# Altium PCB Steezy60SMK.PcbDoc (part 1 of 2) (continued)
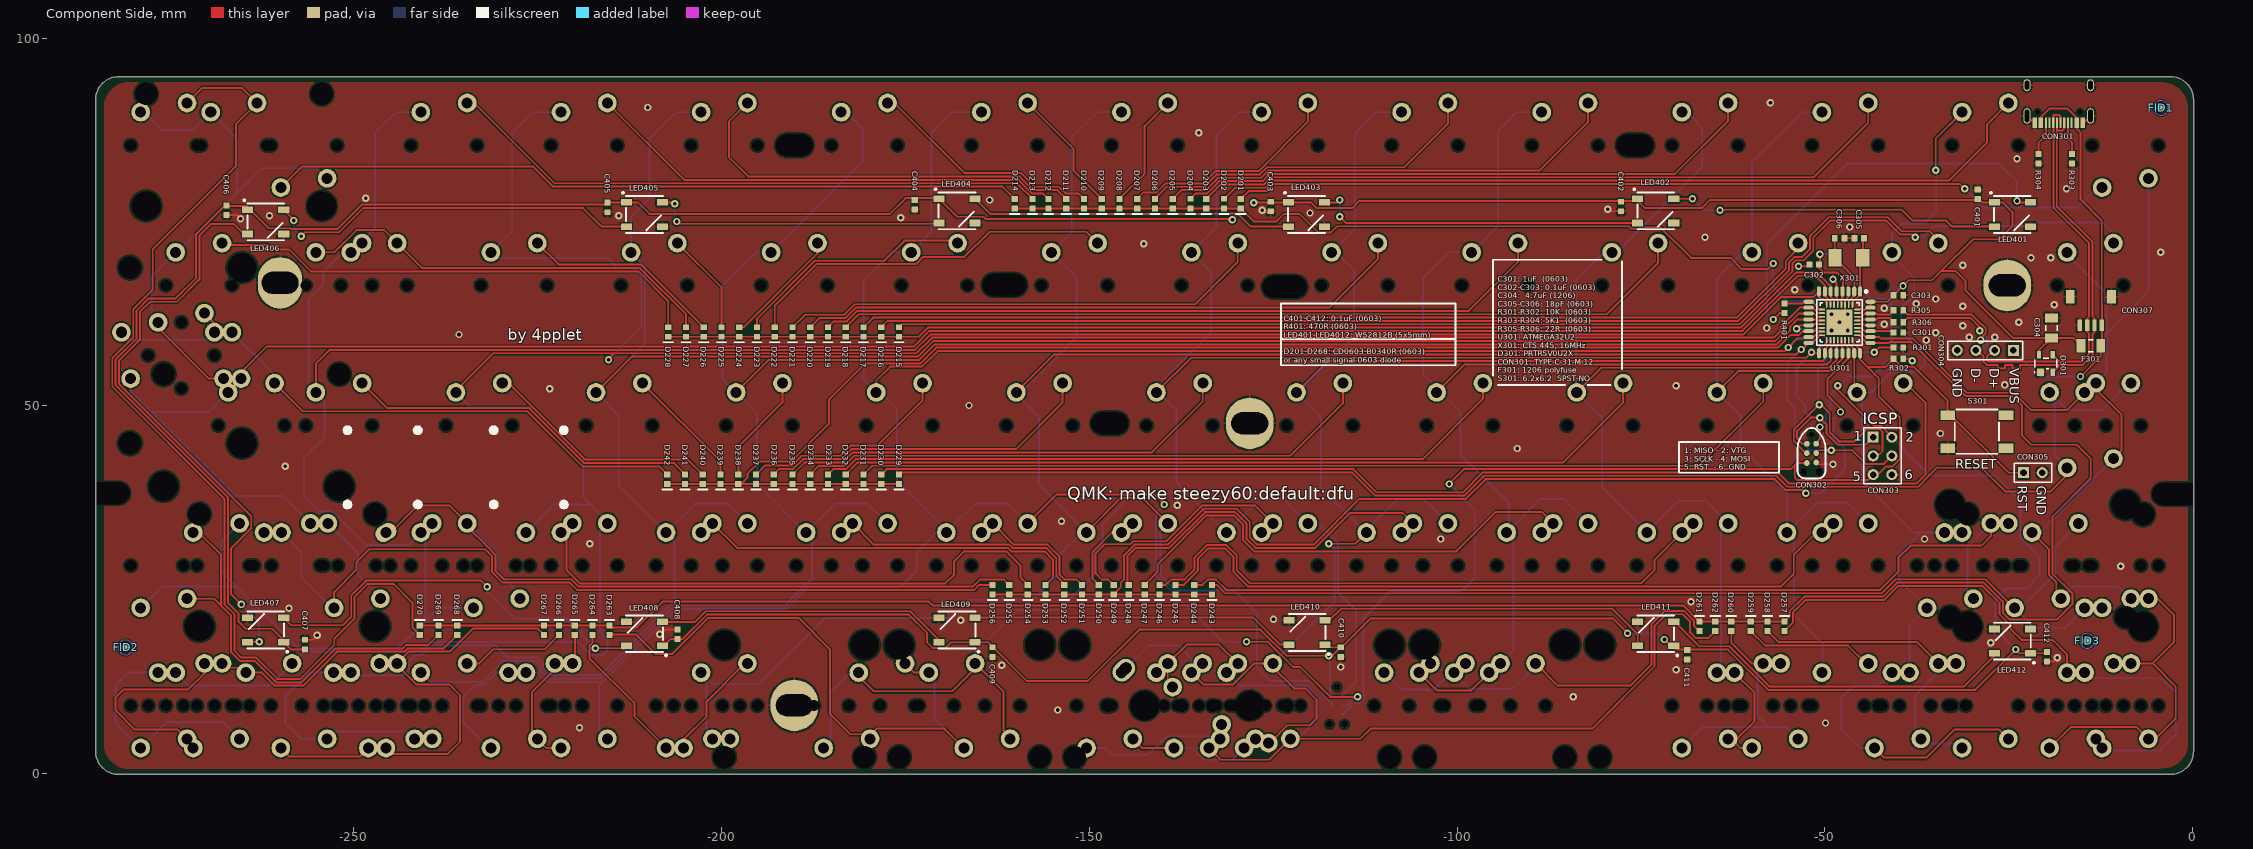
[diagram p0: Component Side view]
## Footprints (in the part's own frame and the unit in brackets; to place one, negate y for a bottom-side part, rotate by r counter-clockwise, add the part's x,y. Pads: shape width x height; smd on the part's side, far side on the other; paste and mask are expansions set on the pad) (continued)
  oval 3x2.2 hole 1.499 rot 150: 1(7.912,4.5)
  round 1 hole 1.5 unplated: ""(-11.644,0) ""(-4.5,0) ""(-2.644,0) ""(0.262,0) ""(4.5,0) ""(9.263,0)
  round 1 on Mech14: ""(-7.144,0) ""(0,0) ""(4.763,0)
"SMK-SWITCH - ENTER" [mm]
  round 2.54 hole 1.499: 1(-3.15,5.75) 1(2.649,12.68) 1(5.03,12.68) 1(6.38,15.28) 1(17.661,12.68) 2(1.399,6.38) 2(3.15,4.5) 2(3.78,6.38) 2(12.68,14.03) 2(16.411,6.38)
  round 1.524 hole 3.988 unplated: ""(-11.938,-8.255) ""(1.275,-2.408) ""(1.275,21.468) ""(11.938,-8.255)
  round 1.524 hole 3.048 unplated: ""(-11.938,6.985) ""(11.938,6.985) ""(16.515,-2.408) ""(16.515,21.468)
  round 1 hole 1.5 unplated: ""(-4.5,0) ""(4.5,0) ""(5.03,9.53) ""(9.53,5.03) ""(9.53,14.03) ""(14.03,9.53)
  round 1 on Mech14: ""(0,0) ""(7.149,9.53) ""(9.53,9.53) ""(11.911,9.53)
"SMK-SWITCH - FN AND SHIFT" [mm]
  round 2.54 hole 1.499: 1(3.15,4.5) 1(3.994,-4.5) 2(-3.15,5.75) 2(10.294,-5.75)
  round 1 hole 1.5 unplated: ""(-4.5,0) ""(2.644,0) ""(4.5,0) ""(11.644,0)
  round 1 on Mech14: ""(0,0) ""(7.144,0)
"SMK-SWITCH - L SPLIT SPACE" [mm]
  round 2.54 hole 1.499: 1(-7.912,-4.5) 1(1.613,-4.5) 1(3.15,-5.75) 1(12.675,-5.75) 2(-3.15,-4.5) 2(-1.613,-5.75) 2(6.375,-4.5) 2(7.912,-5.75)
  round 1 hole 1.5 unplated: ""(-9.263,0) ""(-4.5,0) ""(-0.262,0) ""(0.262,0) ""(4.5,0) ""(5.025,0) ""(9.263,0) ""(14.025,0)
  round 1.524 hole 3.988 unplated: ""(-7.175,-8.255) ""(-2.413,-8.255)
  round 1.524 hole 3.048 unplated: ""(-7.175,6.985) ""(-2.413,6.985)
  round 1 on Mech14: ""(-4.763,0) ""(0,0) ""(4.763,0) ""(9.525,0)
"SMK-SWITCH - L_ALT" [mm]
  round 2.54 hole 1.499: 1(-7.912,-4.5) 1(-5.531,5.75) 1(-3.15,5.75) 1(7.912,-5.75) 2(-1.613,-5.75) 2(0.769,4.5) 2(1.613,-4.5) 2(3.15,4.5)
  round 1 hole 1.5 unplated: ""(-9.263,0) ""(-6.881,0) ""(-4.5,0) ""(-0.262,0) ""(0.262,0) ""(2.119,0) ""(4.5,0) ""(9.263,0)
  round 1 on Mech14: ""(-4.763,0) ""(-2.381,0) ""(0,0) ""(4.763,0)
"SMK-SWITCH - L_CTRL" [mm]
  round 2.54 hole 1.499: 1(-1.613,-5.75) 1(-0.769,-4.5) 1(0.769,4.5) 1(3.15,4.5) 2(-7.912,-4.5) 2(-5.531,5.75) 2(-3.15,5.75) 2(5.531,-5.75)
  round 1 hole 1.5 unplated: ""(-9.263,0) ""(-6.881,0) ""(-4.5,0) ""(-2.119,0) ""(-0.262,0) ""(2.119,0) ""(4.5,0) ""(6.881,0)
  round 1 on Mech14: ""(-4.763,0) ""(-2.381,0) ""(0,0) ""(2.381,0)
"SMK-SWITCH - L_WIN" [mm]
  round 2.54 hole 1.499: 1(-6.375,-5.75) 1(-5.531,5.75) 1(-3.15,5.75) 1(-0.769,-4.5) 2(-12.675,-4.5) 2(0.769,4.5) 2(3.15,4.5) 2(5.531,-5.75)
  round 1 hole 1.5 unplated: ""(-14.025,0) ""(-6.881,0) ""(-5.025,0) ""(-4.5,0) ""(-2.119,0) ""(2.119,0) ""(4.5,0) ""(6.881,0)
  round 1 on Mech14: ""(-9.525,0) ""(-2.381,0) ""(0,0) ""(2.381,0)
"SMK-SWITCH - LEFT SHIFT" [mm]
  round 2.54 hole 1.499: 1(-8.756,-5.75) 1(-6.375,-5.75) 1(-5.531,5.75) 1(3.15,-5.75) 2(-15.056,-4.5) 2(-12.675,-4.5) 2(-3.15,-4.5) 2(0.769,4.5)
  round 1 hole 1.5 unplated: ""(-16.406,0) ""(-14.025,0) ""(-7.406,0) ""(-6.881,0) ""(-5.025,0) ""(-4.5,0) ""(2.119,0) ""(4.5,0)
  round 1.524 hole 3.988 unplated: ""(-14.319,-8.255) ""(-11.938,8.255) ""(9.557,-8.255) ""(11.938,8.255)
  round 1.524 hole 3.048 unplated: ""(-14.319,6.985) ""(-11.938,-6.985) ""(9.557,6.985) ""(11.938,-6.985)
  round 1 on Mech14: ""(-11.906,0) ""(-9.525,0) ""(-2.381,0) ""(0,0)
"SMK-SWITCH - OFFSET" [mm]
  round 2.54 hole 1.499: 1(-3.15,5.75) 1(-1.613,4.5) 2(-7.912,5.75) 2(3.15,4.5)
  round 1 hole 1.5 unplated: ""(-9.263,0) ""(-4.5,0) ""(-0.262,0) ""(4.5,0)
  round 1 on Mech14: ""(-4.763,0) ""(0,0)
"SMK-SWITCH - OFFSET-R" [mm]
  round 2.54 hole 1.499: 1(-3.15,5.75) 1(7.912,4.5) 2(1.613,5.75) 2(3.15,4.5)
  round 1 hole 1.5 unplated: ""(-4.5,0) ""(0.262,0) ""(4.5,0) ""(9.263,0)
  round 1 on Mech14: ""(0,0) ""(4.763,0)
"SMK-SWITCH - R PN" [mm]
  round 2.54 hole 1.499: 1(-5.531,5.75) 1(3.15,-5.75) 1(5.531,-5.75) 2(-3.15,-4.5) 2(-0.769,-4.5) 2(0.769,4.5)
  round 1 hole 1.5 unplated: ""(-6.881,0) ""(-4.5,0) ""(-2.119,0) ""(2.119,0) ""(4.5,0) ""(6.881,0)
  round 1 on Mech14: ""(-2.381,0) ""(0,0) ""(2.381,0)
"SMK-SWITCH - R SPLIT SPACE" [mm]
  round 2.54 hole 1.499: 1(-15.9,4.5) 1(-11.138,-5.75) 1(-7.912,-4.5) 1(-3.15,5.75) 2(-22.2,5.75) 2(-17.437,-4.5) 2(-1.613,-5.75) 2(3.15,4.5)
  round 1 hole 1.5 unplated: ""(-23.55,0) ""(-18.788,0) ""(-14.55,0) ""(-9.787,0) ""(-9.263,0) ""(-4.5,0) ""(-0.262,0) ""(4.5,0)
  round 1 on Mech14: ""(-19.05,0) ""(-14.287,0) ""(-9.525,0) ""(-4.763,0) ""(0,0) ""(0,0)
  round 1.524 hole 3.988 unplated: ""(-11.938,-8.255) ""(7.175,-8.255) ""(11.938,-8.255)
  round 1.524 hole 3.048 unplated: ""(-11.938,6.985) ""(7.175,6.985) ""(11.938,6.985)
"SMK-SWITCH - R_ALT" [mm]
  round 2.54 hole 1.499: 1(-3.15,5.75) 1(-1.613,-5.75) 1(-0.769,5.75) 1(1.613,-4.5) 2(-7.912,-4.5) 2(3.15,4.5) 2(5.531,4.5) 2(7.912,-5.75)
  round 1 hole 1.5 unplated: ""(-9.263,0) ""(-4.5,0) ""(-2.119,0) ""(-0.262,0) ""(0.262,0) ""(4.5,0) ""(6.881,0) ""(9.263,0)
  round 1 on Mech14: ""(-4.763,0) ""(0,0) ""(2.381,0) ""(4.763,0)
"SMK-SWITCH - R_CTRL" [mm]
  round 2.54 hole 1.499: 1(-6.375,4.5) 1(-3.15,5.75) 1(-0.769,5.75) 1(0.769,-5.75) 1(1.613,-4.5) 2(-12.675,5.75) 2(-5.531,-4.5) 2(3.15,4.5) 2(5.531,4.5) 2(7.912,-5.75)
  round 1 hole 1.5 unplated: ""(-14.025,0) ""(-6.881,0) ""(-5.025,0) ""(-4.5,0) ""(-2.119,0) ""(0.262,0) ""(2.119,0) ""(4.5,0) ""(6.881,0) ""(9.263,0)
  round 1 on Mech14: ""(-9.525,0) ""(-2.381,0) ""(0,0) ""(2.381,0) ""(4.763,0)
"SMK-SWITCH - R_WIN" [mm]
  round 2.54 hole 1.499: 1(-3.15,5.75) 1(-1.613,-5.75) 1(-0.769,5.75) 1(0.769,-5.75) 1(12.675,-5.75) 2(-7.912,-4.5) 2(-5.531,-4.5) 2(3.15,4.5) 2(5.531,4.5) 2(6.375,-4.5)
  round 1 hole 1.5 unplated: ""(-9.263,0) ""(-6.881,0) ""(-4.5,0) ""(-2.119,0) ""(-0.262,0) ""(2.119,0) ""(4.5,0) ""(5.025,0) ""(6.881,0) ""(14.025,0)
  round 1 on Mech14: ""(-4.763,0) ""(-2.381,0) ""(0,0) ""(2.381,0) ""(9.525,0)
"SMK-SWITCH - RIGHT SHIFT" [mm]
  round 2.54 hole 1.499: 1(-6.375,-5.75) 1(0.769,4.5) 1(3.15,4.5) 2(-12.675,-4.5) 2(-5.531,5.75) 2(-3.15,5.75)
  round 1 hole 1.5 unplated: ""(-14.025,0) ""(-6.881,0) ""(-5.025,0) ""(-4.5,0) ""(2.119,0) ""(4.5,0)
  round 1.524 hole 3.988 unplated: ""(-11.938,-8.255) ""(11.938,-8.255)
  round 1.524 hole 3.048 unplated: ""(-11.938,6.985) ""(11.938,6.985)
  round 1 on Mech14: ""(-9.525,0) ""(-2.381,0) ""(0,0)
"SMK-SWITCH - SMALLEROFFSET-R" [mm]
  round 2.54 hole 1.499: 1(3.15,4.5) 1(5.531,-5.75) 1(7.912,-5.75) 2(-3.15,5.75) 2(-0.769,-4.5) 2(1.613,-4.5)
  round 1 hole 1.5 unplated: ""(-4.5,0) ""(-2.119,0) ""(0.262,0) ""(4.5,0) ""(6.881,0) ""(9.263,0)
  round 1 on Mech14: ""(0,0) ""(2.381,0) ""(4.763,0)
"SMK-SWITCH - SPACE" [mm]
  round 2.54 hole 1.499: 1(-19.826,-4.5) 1(-12.675,5.75) 1(-11.145,4.5) 1(-10.485,-2.54) 1(-10.286,-4.5) 1(-8.764,-5.75) 1(-3.81,2.54) 1(-3.15,5.75) 1(-1.598,4.5) 1(7.898,-5.75) 2(-17.445,5.75) 2(-16.835,-5.08) 2(-15.064,-4.5) 2(-13.526,-5.75) 2(-7.898,5.75) 2(-6.375,4.5) 2(-3.986,-5.75) 2(1.598,-4.5)
  oval 3.3x2.54 hole 1.499 slot 2.4 at 135 deg rot 135: 2(2.825,4.825)
  round 1.524 hole 3.048 unplated: ""(-61.91,-6.985) ""(-57.15,-6.985) ""(38.09,-6.985) ""(57.15,-6.985)
  round 1.524 hole 3.988 unplated: ""(-61.91,8.255) ""(-57.15,8.255) ""(38.09,8.255) ""(57.15,8.255)
  round 1 hole 1.5 unplated: ""(-21.176,0) ""(-18.795,0) ""(-16.414,0) ""(-12.176,0) ""(-11.636,0) ""(-9.795,0) ""(-9.248,0) ""(-7.414,0) ""(-4.5,0) ""(-2.636,0) ""(4.5,0) ""(9.248,0)
  round 1 hole 1.702 unplated: ""(-19.375,0) ""(-9.215,0) ""(-5.08,0) ""(5.08,0)
  round 1 on Mech14: ""(-16.676,0) ""(-14.295,0) ""(-11.914,0) ""(-9.525,0) ""(-7.136,0) ""(-4.748,0) ""(0,0) ""(4.748,0)
  round 1 hole 3.988 unplated: ""(-14.295,0) ""(0,0)
SOT190P237X120-4N [mm] "SOT143, 4-Leads, Body 3,00x2,37mm, Pitch 1,90mm, IPC Medium Density"
  rect 1x1 smd: 1(-1.2,0.75)
  rect 1x0.6 smd: 2(-1.2,-0.95) 3(1.2,-0.95) 4(1.2,0.95)
  silkscreen extent -1.25,-1.5 0.7,1.6, body extent -1.25,-1.5 1.24,1.5, height 1.09
TC2030-IDC-NL [mm] "Tag-Connect 6-Pin with No Legs (PN# TC2030-IDC-NL)"
  round 0.9 hole 0.995 unplated: 0(-2.54,0) 0(2.54,1.016) 0(2.54,-1.016)
  round 0.79 smd paste-0.39: 1(-1.27,-0.635) 2(-1.27,0.635) 3(0,-0.635) 4(0,0.635) 5(1.35,-0.635) 6(1.27,0.635)
  silkscreen extent -3.43,-1.9 3.43,1.9
TYPE-C-31-M-12 [mm]
  rect 0.6x1.45 smd: A1B12(-3.25,0) A4B9(-2.45,0) B1A12(3.25,0) B4A9(2.45,0)
  rect 0.3x1.45 smd: A5(-1.25,0) A6(-0.25,0) A7(0.25,0) A8(1.25,0) B5(1.75,0) B6(0.75,0) B7(-0.75,0) B8(-1.75,0)
  oval 1x2.1 / inner oval 1x2.1 / far side oval 1.3x2.4 hole 0.6 slot 1.7 at 90 deg: S1(-4.32,-0.915) S1(4.32,-0.915)
  oval 1x1.6 / inner oval 1x1.6 / far side oval 1.3x2 hole 0.6 slot 1.2 at 90 deg: S1(-4.32,-5.095) S1(4.32,-5.095)
  round 0 hole 0.65 unplated: ""(-2.89,-1.445) ""(2.89,-1.445)
  body extent -4.47,-7.72 4.47,0.18, height 3.21
WS2812B [mm]
  rect 1.5x0.9 smd: 1(-2.45,1.65) 2(-2.45,-1.65) 3(2.45,-1.65) 4(2.45,1.65)
  silkscreen extent -3.05,-2.5 2.5,3.07, body extent -2.65,-2.45 2.7,2.5, height 1.5

## Part data
C301: library part Cap, "Capacitor", LCSC MFG="Samsung Electro-Mechanics", LCSCPN=C15849, MFG=KEMET, MFGPN=C0603C104M5RACTU, MRF.Part=CL10A105KB8NNNC, Version="0603 imperial"
C302 C303 C401 C402 C403 C404 C405 C406 C407 C408 C409 C410 C411 C412: library part Cap, "Capacitor", LCSC MFG=YAGEO, LCSCPN=C14663, MFG=KEMET, MFGPN=C0603C104M5RACTU, MRF.Part=CC0603KRX7R9BB104, Version="0603 imperial"
C304: library part Cap, "Capacitor", LCSC MFG="Guangdong Fenghua Advanced Tech", LCSCPN=C29823, MFG=KEMET, MFGPN=C0603C104M5RACTU, MRF.Part=1206B475K500NT, Version="1206 imperial"
C305 C306: library part Cap, "Capacitor", LCSC MFG="Samsung Electro-Mechanics", LCSCPN=C159790, MFG=KEMET, MFGPN=C0603C104M5RACTU, MRF.Part=CL10C360JB8NNNC, Version="0603 imperial"
CON301: LCSC MFG="Korean Hroparts Elec", LCSCPN=C165948, MFG="Korean Hroparts Elec", MFGPN=TYPE-C-31-M-12, MRF.Part=TYPE-C-31-M-12
CON302 CON306: library part "Header 3X2", "Header, 3-Pin, Dual row"
CON303: "Header, 3-Pin, Dual row"
CON304: "Header, 4-Pin"
CON305: "Header, 2-Pin"
CON307: "Header, 5-Pin", LCSC MFG="JST Sales America", LCSCPN=C160404, MFG="JST Sales America Inc.", MFGPN=SM04B-SRSS-TB(LF)(SN), MRF.Part=SM04B-SRSS-TB(LF)(SN)
D201 D202 D203 D204 D205 D206 D207 D208 D209 D210 D211 D212 D213 D214 D215 D216 D217 D218 D219 D220 D221 D222 D223 D224 D225 D226 D227 D228 D229 D230 D231 D232 D233 D234 D235 D236 D237 D238 D239 D240 D241 D242 D243 D244 D245 D246 D247 D248 D249 D250 D251 D252 D253 D254 D255 D256 D257 D258 D259 D260 D261 D262 D263 D264 D265 D266 D267 D268 D269 D270: "Default Diode", LCSC MFG="LIZ Elec", LCSCPN=C109002, MFG="Bourns Inc.", MFGPN=CD0603-B0340R, MRF.Part=CD4148WTP, Version="0603 imperial"
D301: LCSC MFG="Brightking Elec (TAIWAN)", LCSCPN=C78442, MFG="Nexperia USA Inc.", MFGPN=PRTR5V0U2X,215, MRF.Part=UET14A05L03
F301: library part "Fuse Thermal", "Thermal Fuse", LCSC MFG="Shenzhen JDT Fuse", LCSCPN=C135338, MFG="Bel Fuse Inc.", MFGPN=0ZCJ0050FF2G, MRF.Part=ASMD1206-050
LED401 LED402 LED403 LED404 LED405 LED406 LED407 LED408 LED409 LED410 LED411 LED412: LCSC MFG=Worldsemi, LCSCPN=C114586, MRF.Part=WS2812B-B, Version=5x5mm
R301 R302: "Resistor", LCSC MFG="Uniroyal Elec", LCSCPN=C25804, MFG="Panasonic Electronic Components", MFGPN=ERJ-3EKF5101V, MRF.Part=0603WAF1002T5E, Version="0603 imperial"
R303 R304: "Resistor", LCSC MFG="Uniroyal Elec", LCSCPN=C23186, MFG="Panasonic Electronic Components", MFGPN=ERJ-3EKF5101V, MRF.Part=0603WAF5101T5E, Version="0603 imperial"
R305 R306: "Resistor", LCSC MFG="Uniroyal Elec", LCSCPN=C23345, MFG="Panasonic Electronic Components", MFGPN=ERJ-3EKF5101V, MRF.Part=0603WAF220JT5E, Version="0603 imperial"
R401: "Resistor", LCSC MFG="Uniroyal Elec", LCSCPN=C23179, MFG="Panasonic Electronic Components", MFGPN=ERJ-3EKF5101V, MRF.Part=0603WAF4700T5E, Version="0603 imperial"
S201 S202 S203 S204 S205 S206 S207 S208 S209 S210 S211 S212 S213 S214 S216 S217 S218 S219 S220 S221 S222 S223 S224 S225 S226 S227 S228 S229 S230 S231 S232 S233 S234 S235 S236 S237 S238 S239 S240 S241 S242 S243 S244 S245 S246 S247 S248 S249 S250 S251 S252 S253 S254 S255 S256 S257 S258 S259 S260 S261 S262 S263 S264 S265 S266 S267 S268 S269 S270: library part SW-PB, "Switch"
S215: library part SW-PB, "TAB"
S301: "Switch", LCSC MFG="XKB Enterprise", LCSCPN=C318888, MFG=C&K, MFGPN="PTS645SM43SMTR92 LFS", MRF.Part=TS-1187A-C-D-B
U301: LCSC MFG="Microchip Tech", LCSCPN=C57345, MFG="Microchip Technology", MFGPN=ATMEGA32U2-AUR, MRF.Part=ATMEGA32U2-MU
X301: "Crystal Oscillator", LCSC MFG="Yangxing Tech", LCSCPN=C112572, MRF.Part=X503216MSB2GI

## Free pads (board coordinates)
  round 1 hole 3 slot 5 at 0 deg unplated: "5 degree"(-190.119,85.415) "5 degree"(-75.819,85.415) CHECK(-147.25,47.615)
  round 1.524 hole 3 slot 6 at 0 deg unplated: CHECK(-161.55,66.421) CHECK(-123.45,66.167)
  oval 6.5x7 hole 3 slot 5 at 0 deg: CHECK(-25.2,66.365) POKER(-190.119,9.271) TADA(-128.2,47.615)
  round 0 hole 3 slot 7 at 0 deg unplated: POKER(-284,38.115) POKER(-2,37.988)
  oval 6x7 hole 3 slot 5 at 0 deg: POKER(-260.05,66.715)

## Via types
v1: diameter 1, hole 0.5, Component Side to Bottom Layer, tented both sides, 115 vias
v2: diameter 1, hole 0.5, Component Side to Bottom Layer, tented bottom, 5 vias

## Nets (pads, with @x,y where several pads share a name; then routed paths per layer and width w, separated by ;. In a path a pad name is that pad's centre, name@x,y a point inside that pad or via, vN(x,y) a via of type N, cw(c..) or ccw(c..) an arc to the next point about the centre after c; other vN are vias at no path point)
col0: S201.2 S215.2 S229.2 S243.2 S257.2 U301.26 | length 180.3
  Component Side w0.254: U301.26@-45.606,60.091 -45.167,60.091 -44.417,59.341 U301.26@-43.806,59.341 -42.577,59.341 -42.379,59.143 -38.061,59.143 -30.68,51.762 -24.323,51.762 -21.964,49.403 -17.093,49.403 S229.2@-14.681,51.815 ; S243.2@-20.812,32.765 S243.2@-21.825,32.765 -19.504,30.444 -19.504,26.979 -18.542,26.017 -18.542,24.694 -18.105,24.257 -17.906,24.257 S243.2@-17.906,23.765 S243.2@-17.559,24.112 ; S257.2@-19.444,3.465 -16.597,6.312 -7.597,6.312 S257.2@-6,4.715 -5.064,4.715 -2.286,7.493 -2.286,11.811 -5.44,14.965 ; S215.2@-17.062,70.865 S215.2@-16.638,70.865 ; S229.2@-13.927,53.848 S229.2@-13.144,53.065 -13.144,52.26 -9.652,48.768 -9.652,43.926 S229.2@-10.763,42.815 ; S257.2@-8.381,14.965 -5.44,14.965 ; S243.2@-8.381,23.765 S243.2@-6,23.765 -4.715,23.765 -2.54,21.59 -2.54,17.865 -5.44,14.965 ; S201.2@-6.588,80.915 S201.2@-6,80.915 S201.2@-6,80.734
  Bottom Layer w0.254: S243.2@-21.825,32.765 -20.812,32.765 S229.2@-10.763,42.815 ; S243.2@-17.906,23.765 -16.271,25.4 -10.016,25.4 S243.2@-8.381,23.765 ; S215.2@-17.062,70.865 -17.062,70.529 -11.684,65.151 -11.684,59.817 ; S215.2@-16.412,70.865 S215.2@-16.003,70.865 ; S229.2@-13.144,53.065 -11.684,54.525 -11.684,59.817 ; S257.2@-6.239,4.715 S257.2@-6,4.715 ; S201.2@-6,80.915 -6,65.501 -11.684,59.817
col1: S202.2 S216.2 S230.2 S244.2 S258.2 U301.23 | length 154.5
  Component Side w0.254: U301.23@-46.756,58.941 -46.756,58.454 -46.006,57.704 U301.23@-46.006,57.141 ; U301.23@-46.006,56.76 -46.006,52.184 S230.2@-45.637,51.815 S230.2@-45.371,52.081 ; S258.2@-43.256,3.465 -41.95,2.159 -36.195,2.159 -32.385,5.969 -26.304,5.969 S258.2@-25.05,4.715 ; S258.2@-40.443,14.005 -38.493,14.005 S258.2@-38.092,14.005 ; v1(-34.925,82.042) -34.925,86.34 S202.2@-31.35,89.915
  Bottom Layer w0.254: S258.2@-43.256,3.465 -45.121,3.465 -47.752,6.096 -47.752,10.287 -46.101,11.938 -42.651,11.938 S258.2@-40.874,13.715 S258.2@-40.132,14.457 ; S258.2@-38.493,13.715 -38.493,20.134 S244.2@-36.112,22.515 -40.005,26.408 -40.005,29.718 -36.958,32.765 ; v1@-35.052,82.042 -34.989,81.978 -34.861,81.852 -34.861,76.391 -36.449,74.803 -39.497,74.803 -40.875,73.425 S216.2@-40.875,70.865 -40.875,70.4 -37.846,67.371 -37.846,65.024 -39.624,63.246 -39.624,60.071 -36.449,56.896 -36.449,55.678 -37.465,54.662 -40.842,54.662 -43.689,51.815 S230.2@-45.637,51.815 -44.958,51.136 -44.958,39.751 -37.972,32.765 -36.958,32.765 ; S244.2@-33.731,32.765 -36.958,32.765 ; S202.2@-30.7,89.12 -30.7,89.915 S202.2@-30.7,90.205
col2: S203.2 S217.2 S231.2 S245.2 S259.2 U301.21 | length 125.7
  Component Side w0.254: S231.2@-64.687,51.815 -61.784,54.718 -49.307,54.718 -47.606,56.419 U301.21@-47.606,56.76 ; U301.21@-47.756,58.941 -47.756,58.17 -47.606,58.02 U301.21@-47.606,57.141
  Bottom Layer w0.254: S203.2@-50.4,89.915 -53.087,89.915 -59.925,83.077 S217.2@-59.925,70.865 -61.088,70.865 -64.687,67.266 S231.2@-64.687,51.815 -61.468,48.596 -61.468,44.45 -55.162,38.144 S245.2@-55.162,32.765 ; S259.2@-50.292,13.462 -50.292,13.715 -50.292,17.653 -54.229,21.59 -54.229,31.832 S245.2@-55.162,32.765 ; S245.2@-44.1,34.015 -46.915,36.83 -51.097,36.83 S245.2@-55.162,32.765
col3: S204.2 S218.2 S232.2 S246.2 S260.2 U301.20 | length 160.4
  Component Side w0.254: S232.2@-83.737,51.815 -80.38,55.172 -49.495,55.172 -48.406,56.261 U301.20@-48.406,56.76 ; S260.2@-63.15,4.715 S260.2@-62.727,4.715 ; S260.2@-62.306,13.715 -59.563,10.972 -59.563,7.112 -61.96,4.715 S260.2@-62.727,4.715 ; S260.2@-59.924,3.465 -61.477,3.465 S260.2@-62.727,4.715 ; U301.20@-48.406,57.141 -48.406,58.02 -48.256,58.17 U301.20@-48.256,58.941
  Bottom Layer w0.254: S246.2@-74.212,32.765 S246.2@-73.922,33.055 ; S204.2@-68.8,89.915 -66.675,87.79 -66.675,82.515 -78.325,70.865 S218.2@-78.975,70.865 -80.011,70.865 -83.82,67.056 -83.82,51.943 -83.715,51.838 -80.264,48.387 -80.264,38.989 -74.33,33.055 -74.212,33.055 S246.2@-73.922,33.055 ; S260.2@-64.687,13.715 -64.135,14.267 -64.135,33.03 S246.2@-63.15,34.015 -66.219,37.084 -69.893,37.084 S246.2@-73.922,33.055
col4: S205.2 S219.2 S233.2 S247.2 S261.2 U301.19 | length 176.5
  Component Side w0.254: S261.2@-105.168,13.715 -102.756,11.303 -98.055,11.303 S261.2@-95.643,13.715 ; S233.2@-102.787,51.815 -98.977,55.626 -49.714,55.626 -49.206,56.134 U301.19@-49.206,56.76 ; U301.19@-49.206,57.141 -49.206,57.862 -48.756,58.312 U301.19@-48.756,58.941
  Bottom Layer w0.254: S261.2@-95.977,14.048 S261.2@-95.643,13.715 ; S261.2@-94.106,14.965 -92.329,16.742 -92.329,31.832 S247.2@-93.262,32.765 S247.2@-92.937,33.09 ; S247.2@-92.612,32.765 S247.2@-92.937,33.09 ; S205.2@-87.85,89.915 S205.2@-88.5,89.915 -91.949,89.915 -94.488,87.376 -94.488,74.402 S219.2@-98.025,70.865 -101.093,70.865 -104.648,67.31 -104.648,54.326 -102.463,52.14 -99.568,49.246 -99.568,43.434 -92.937,36.803 S247.2@-92.937,33.09 ; S247.2@-82.2,34.015 -85.523,37.338 -88.689,37.338 S247.2@-92.937,33.09
col5: S206.2 S220.2 S234.2 S248.2 S262.2 U301.18 | length 252
  Component Side w0.254: S262.2@-144.097,4.715 -142.847,3.465 S262.2@-138.513,3.465 ; S262.2@-136.124,13.715 -134.527,12.118 -130.413,12.118 -127.566,14.965 S262.2@-125.055,14.965 -125.055,14.438 -122.174,11.557 -120.65,11.557 -119.126,10.033 -119.126,7.493 -120.069,6.55 -123.097,6.55 -125.512,4.135 S262.2@-125.665,4.135 ; S262.2@-128.973,3.107 S262.2@-128.973,3.465 ; S234.2@-121.837,51.815 -117.573,56.08 -50.314,56.08 -50.006,56.388 U301.18@-50.006,57.141 -50.006,57.704 -49.256,58.454 U301.18@-49.256,58.941 ; v1(-117.475,31.242) -113.835,31.242 S248.2@-112.312,32.765
  Bottom Layer w0.254: S262.2@-145.324,14.04 -141.965,17.399 -137.922,17.399 -136.124,15.601 S262.2@-136.124,13.715 ; S262.2@-138.513,3.465 -136.053,3.465 -134.456,1.868 -130.57,1.868 S262.2@-128.973,3.465 ; S262.2@-125.055,14.965 -116.659,23.361 -116.659,30.426 v1(-117.475,31.242) ; S220.2@-117.075,70.865 -113.919,74.021 -113.919,86.995 -110.999,89.915 S206.2@-107.55,89.915 ; S220.2@-116.425,71.155 -116.425,70.865 -114.046,68.486 -114.046,59.247 -121.187,52.105 -121.187,51.815 -121.187,51.083 -118.491,48.387 -118.491,38.862 -112.522,32.893 -112.481,32.934 -112.312,33.103 S248.2@-112.312,32.765 S248.2@-113.412,32.765 ; S248.2@-111.662,32.765 S248.2@-111.807,32.91 ; S248.2@-111.662,33.055 S248.2@-111.807,32.91 ; S248.2@-101.25,34.015 -104.446,37.211 -108.204,37.211 -112.156,33.259 -111.987,33.09 S248.2@-111.807,32.91
col6: CON302.1 CON303.1 CON306.1 S207.2 S221.2 S235.2 S249.2 S263.2 U301.17 | length 325.7
  Component Side w0.254: S263.2@-181.368,13.715 -181.368,13.22 -179.324,11.176 -168.656,11.176 -165.543,14.289 S263.2@-165.543,14.965 -161.671,11.093 -161.671,5.842 -160.781,4.952 S263.2@-160.781,4.715 ; S235.2@-140.887,51.815 -136.169,56.534 -52.559,56.534 v1(-51.816,57.277) -51.68,57.141 U301.17@-50.806,57.141 -50.806,57.891 -50.531,58.166 -50.257,58.166 -50.255,58.168 -50.184,58.168 -49.756,58.596 U301.17@-49.756,58.941 ; S221.2@-136.653,70.865 S221.2@-136.125,70.865 S221.2@-135.475,70.865 ; CON302.1@-52.578,44.831 -53.086,44.831 -53.775,45.52 -53.775,46.548 -51.936,48.387 v1(-50.673,48.387) -49.795,47.509 -49.795,46.239 -48.26,44.704 -44.45,44.704 CON303.1@-43.434,45.72
  Bottom Layer w0.254: S263.2@-186.131,3.465 -185.166,4.43 -185.166,11.049 -182.5,13.715 S263.2@-181.368,13.715 ; S263.2@-165.543,14.965 -165.543,16.448 -159.766,22.225 -154.178,22.225 -149.225,27.178 -149.225,30.099 -148.209,31.115 -148.209,34.036 -144.063,38.182 -136.779,38.182 ; S235.2@-140.587,51.815 -140.737,51.965 -141.097,52.324 -133.477,59.944 -133.477,68.217 S221.2@-136.125,70.865 -132.715,74.275 -132.715,86.868 -129.668,89.915 S207.2@-126.6,89.915 S207.2@-125.95,89.915 ; S235.2@-140.412,51.64 -138.176,49.404 -138.176,39.579 -136.779,38.182 ; S249.2@-132.462,32.765 S249.2@-131.362,32.765 -136.779,38.182 ; S249.2@-131.212,32.915 -126.789,37.338 -123.623,37.338 S249.2@-120.3,34.015 -118.851,34.015 -116.205,31.369 -116.205,24.638 -113.792,22.225 -113.792,12.39 CON306.1@-115.697,10.485 ; v1(-51.816,57.277) -53.848,55.245 -53.848,51.308 -52.705,50.165 -52.705,49.276 -51.816,48.387 v1(-50.673,48.387) v1@-50.673,48.26
col7: CON302.4 CON303.4 CON306.4 S208.2 S222.2 S236.2 S250.2 S264.2 U301.16 | length 344.9
  Component Side w0.254: S236.2@-159.937,51.815 -154.765,56.988 -53.883,56.988 v1(-53.213,57.658) ; S250.2@-150.412,32.765 -145.712,37.465 -142.8,37.465 S250.2@-139.35,34.015 ; v1@-53.151,57.596 U301.16@-52.206,58.541 -51.73,58.541 -51.179,59.092 -51.179,59.115 -50.703,59.591 U301.16@-50.406,59.591 ; CON302.4@-51.181,43.561 -50.8,43.942 v1(-49.149,43.942) -46.289,43.942 -44.45,42.103 -41.971,42.103 CON303.4@-40.894,43.18
  Bottom Layer w0.254: S264.2@-202.8,13.715 -202.057,12.972 -202.057,5.509 S264.2@-201.263,4.715 ; S264.2@-201.93,12.845 -201.277,12.192 -194.945,12.192 -186.001,21.136 -168.856,21.136 -166.37,23.622 -157.734,23.622 -154.178,27.178 -154.178,29.591 -151.004,32.765 S250.2@-150.412,32.765 -150.412,33.23 -150.832,33.23 -156.845,39.243 -156.845,48.514 S236.2@-159.717,51.386 ; S236.2@-159.937,51.165 S236.2@-159.717,51.386 ; S236.2@-159.937,51.815 -159.937,51.606 S236.2@-159.717,51.386 ; S208.2@-145,89.915 S208.2@-145.65,89.915 -148.972,89.915 -152.4,86.487 -152.4,73.64 S222.2@-155.175,70.865 -151.765,67.455 -151.765,59.338 -159.613,51.49 S236.2@-159.717,51.386 ; S250.2@-139.35,34.015 -140.335,33.03 -140.335,26.924 -138.303,24.892 -130.295,24.892 -127.254,21.851 -127.254,14.478 -125.349,12.573 -120.076,12.573 -116.967,9.464 CON306.4@-116.967,9.215 ; v1(-53.213,57.658) -55.118,55.753 -55.118,50.8 -54.102,49.784 -54.102,45.974 -52.07,43.942 v1(-49.149,43.942)
col8: CON302.3 CON303.3 CON306.3 S209.2 S223.2 S237.2 S251.2 S265.2 U301.15 | length 420.8
  Component Side w0.254: S237.2@-178.987,51.815 -178.987,53.431 -177.104,55.315 -172.775,55.315 -170.648,57.442 -55.461,57.442 v1(-54.991,57.912) ; S251.2@-158.4,34.015 -154.496,37.919 -141.17,37.919 v1(-139.827,36.576) ; v1(-128.651,17.907) -125.738,17.907 -122.309,14.478 -121.341,14.478 -117.277,10.414 v1(-113.538,10.414) ; v1@-54.991,58.103 v1(-54.991,57.912) ; CON302.3@-52.578,43.561 -54.229,45.212 -54.229,46.736 -50.81,50.155 v1(-50.753,50.155) -50.509,50.155 -49.338,48.984 -49.338,48.298 -49.341,48.295 ; U301.15@-50.406,60.091 -50.845,60.091 -51.595,59.341 U301.15@-52.206,59.341 -52.376,59.171 -53.732,59.171 v1(-54.991,57.912) ; -49.341,48.298 -49.341,48.295 ; CON303.3@-43.434,43.18 -42.799,43.18 -42.164,43.815 -42.164,46.412 -42.549,46.797 -44.319,46.797 -45.958,45.158 -48.072,45.158 -49.341,46.427 -49.341,48.295
  Bottom Layer w0.254: S265.2@-231.42,3.511 S265.2@-231.374,3.465 -231.684,3.465 -235.204,6.985 -235.204,10.287 -233.499,11.992 -232.333,11.992 -230.61,13.715 S265.2@-228.993,13.715 ; S265.2@-226.612,13.715 -224.986,13.715 -223.731,12.46 -216.14,12.46 ; S265.2@-215.55,4.715 -216.662,5.827 -216.662,11.938 -216.14,12.46 ; S237.2@-178.987,51.815 -180.721,53.549 -180.721,66.929 -176.785,70.865 S223.2@-174.225,70.865 -171.45,73.64 -171.45,87.122 -168.657,89.915 S209.2@-164.7,89.915 S209.2@-164.34,89.915 ; S237.2@-178.663,52.14 -178.483,51.96 -176.149,49.627 -176.149,39.888 -169.316,33.055 S251.2@-169.172,33.055 ; S209.2@-164.7,89.851 -164.404,89.851 S209.2@-164.34,89.915 ; S209.2@-164.05,89.915 S209.2@-164.34,89.915 ; S209.2@-164.05,90.205 S209.2@-164.34,89.915 ; S251.2@-158.4,34.015 -161.088,36.703 -165.524,36.703 S251.2@-169.172,33.055 ; v1(-139.827,36.576) -140.947,35.456 -140.947,26.894 -131.96,17.907 v1(-128.651,17.907) ; CON306.3@-115.697,9.215 -114.989,9.215 -113.79,10.414 v1(-113.538,10.414) ; v1(-54.991,57.912) -53.975,58.928 -51.435,58.928 -49.657,57.15 -49.657,56.261 -50.927,54.991 -50.927,50.328 v1(-50.753,50.155) ; -216.14,12.46 -206.248,22.352 -191.255,22.352 -188.291,25.316 -175.725,25.316 -173.482,27.559 -173.482,30.099 -170.816,32.765 S251.2@-169.462,32.765 S251.2@-169.172,33.055
col9: S210.2 S224.2 S238.2 S252.2 S266.2 U301.12 | length 306.3
  Component Side w0.254: S238.2@-198.037,51.815 -193.629,56.223 -173.151,56.223 -171.024,58.35 -56.573,58.35 -54.744,60.179 -54.744,60.725 -53.729,61.741 U301.12@-52.206,61.741 -51.327,61.741 -51.177,61.591 U301.12@-50.406,61.591
  Bottom Layer w0.254: S266.2@-240.9,13.715 -239.631,12.446 -232.521,12.446 -229.655,15.312 -225.299,15.312 -224.744,14.758 -224.744,14.115 -223.543,12.914 -216.328,12.914 -206.436,22.806 -191.443,22.806 -187.706,26.543 -187.706,31.959 S252.2@-188.512,32.765 -184.574,36.703 -180.137,36.703 S252.2@-177.45,34.015 ; S252.2@-188.553,32.724 -195.199,39.37 -195.199,48.977 S238.2@-198.037,51.815 -199.898,53.676 -199.898,66.294 -195.327,70.865 S224.2@-193.275,70.865 -180.848,83.292 -180.848,87.663 S210.2@-183.1,89.915
col10: S211.2 S225.2 S239.2 S253.2 S267.2 U301.11 | length 349.3
  Component Side w0.254: S239.2@-217.087,51.815 -212.225,56.677 -173.339,56.677 -171.212,58.804 -56.761,58.804 -55.561,60.004 -55.561,60.55 -53.571,62.541 U301.11@-52.206,62.541 -51.478,62.541 -51.028,62.091 U301.11@-50.406,62.091
  Bottom Layer w0.254: S267.2@-252.806,13.715 -256.069,13.715 -259.334,10.45 -259.334,6.858 -257.191,4.715 S267.2@-253.65,4.715 -252.649,5.715 -242.743,5.715 S267.2@-241.743,4.715 ; S267.2@-250.424,13.715 -250.044,13.335 -243.332,13.335 -242.497,14.17 -242.497,15.186 -241.575,16.108 -240.765,16.108 -239.474,17.399 -230.759,17.399 -229.126,15.766 -225.111,15.766 -224.29,14.946 -224.29,14.304 -223.355,13.368 -216.516,13.368 -206.423,23.462 -206.423,31.625 S253.2@-207.562,32.765 ; S211.2@-202.8,89.915 -206.249,89.915 -209.804,86.36 -209.804,78.232 -212.325,75.711 S225.2@-212.325,70.865 -210.439,68.979 -210.439,58.464 S239.2@-217.087,51.815 -213.995,48.723 -213.995,39.198 S253.2@-207.562,32.765 ; S253.2@-196.5,34.015 -199.188,36.703 -203.624,36.703 S253.2@-207.562,32.765
col11: S212.2 S226.2 S240.2 S254.2 S268.2 U301.10 | length 408.4
  Component Side w0.254: S240.2@-236.137,51.815 -236.137,52.026 -231.032,57.131 -214.649,57.131 ; v1@-215.519,56.261 -215.456,56.325 -214.649,57.131 ; U301.10@-50.406,62.591 -50.886,62.591 -51.636,63.341 U301.10@-52.206,63.341 -53.413,63.341 -56.015,60.739 -56.015,60.192 -56.949,59.258 -171.4,59.258 -173.527,57.131 -214.649,57.131
  Bottom Layer w0.254: S268.2@-276.618,13.715 -280.671,13.715 -282.448,11.938 -282.448,6.914 S268.2@-278.999,3.465 -275.479,6.985 -267.826,6.985 S268.2@-265.556,4.715 ; S268.2@-274.237,13.715 -272.46,11.938 -261.439,11.938 S268.2@-258.412,14.965 -256.815,16.562 -240.954,16.562 -239.663,17.853 -219.529,17.853 -217.805,16.129 -216.154,16.129 -215.519,16.764 -215.519,18.161 -216.535,19.177 -216.535,33.03 S254.2@-215.55,34.015 -215.55,34.321 -217.805,36.576 ; S240.2@-236.137,51.815 -234.106,49.784 -225.679,49.784 -218.821,42.926 -218.821,37.592 -217.805,36.576 ; S254.2@-226.612,32.765 -226.287,33.09 -222.801,36.576 -217.805,36.576 ; S212.2@-221.2,89.915 S212.2@-221.85,89.915 -225.68,89.915 -228.473,87.122 -228.473,73.767 S226.2@-231.375,70.865 -230.614,70.104 -215.519,70.104 -214.122,68.707 -211.963,68.707 -210.893,67.637 -210.893,60.76 v1(-215.392,56.261)
col12: S213.2 S227.2 S241.2 S255.2 S269.2 U301.8 | length 372.3
  Component Side w0.254: S241.2@-255.187,51.815 -255.187,55.709 -253.311,57.585 -173.715,57.585 -171.588,59.712 -61.037,59.712 -55.979,64.77 -51.562,64.77 -50.806,65.526 -50.806,64.791 -50.546,64.531 -50.272,64.531 -50.255,64.514 -50.184,64.514 -49.756,64.086 U301.8@-49.756,63.741
  Bottom Layer w0.254: S269.2@-279,22.515 -276.115,25.4 -265.94,25.4 ; S269.2@-265.556,34.015 -267.97,31.601 -267.97,27.43 -265.94,25.4 ; S213.2@-240.9,89.915 -244.349,89.915 -247.142,87.122 -247.142,74.148 -249.031,72.259 S227.2@-250.425,70.865 -251.461,70.865 -254.127,68.199 -254.127,66.548 -256.159,64.516 -256.159,52.787 S241.2@-255.187,51.815 -254,50.628 -254,45.72 -256.794,42.926 -256.794,37.719 -254.687,35.612 -252.887,35.612 -248.363,31.088 -242.577,31.088 S255.2@-240.9,32.765 -240.284,32.149 -240.284,20.701 ; S255.2@-233.756,22.515 -238.47,22.515 -240.284,20.701 ; -265.94,25.4 -257.556,17.016 -243.969,17.016 -240.284,20.701